# Altium PCB FOTA.PcbDoc
Units mm, origin at the board's own origin, x right, y up, seen from the top; angles counter-clockwise.
Board outline 298.7 x 135.25 mm, 2 copper layers (Top Layer, Bottom Layer); 65 components, 72 nets, 364 pads, 6 vias.
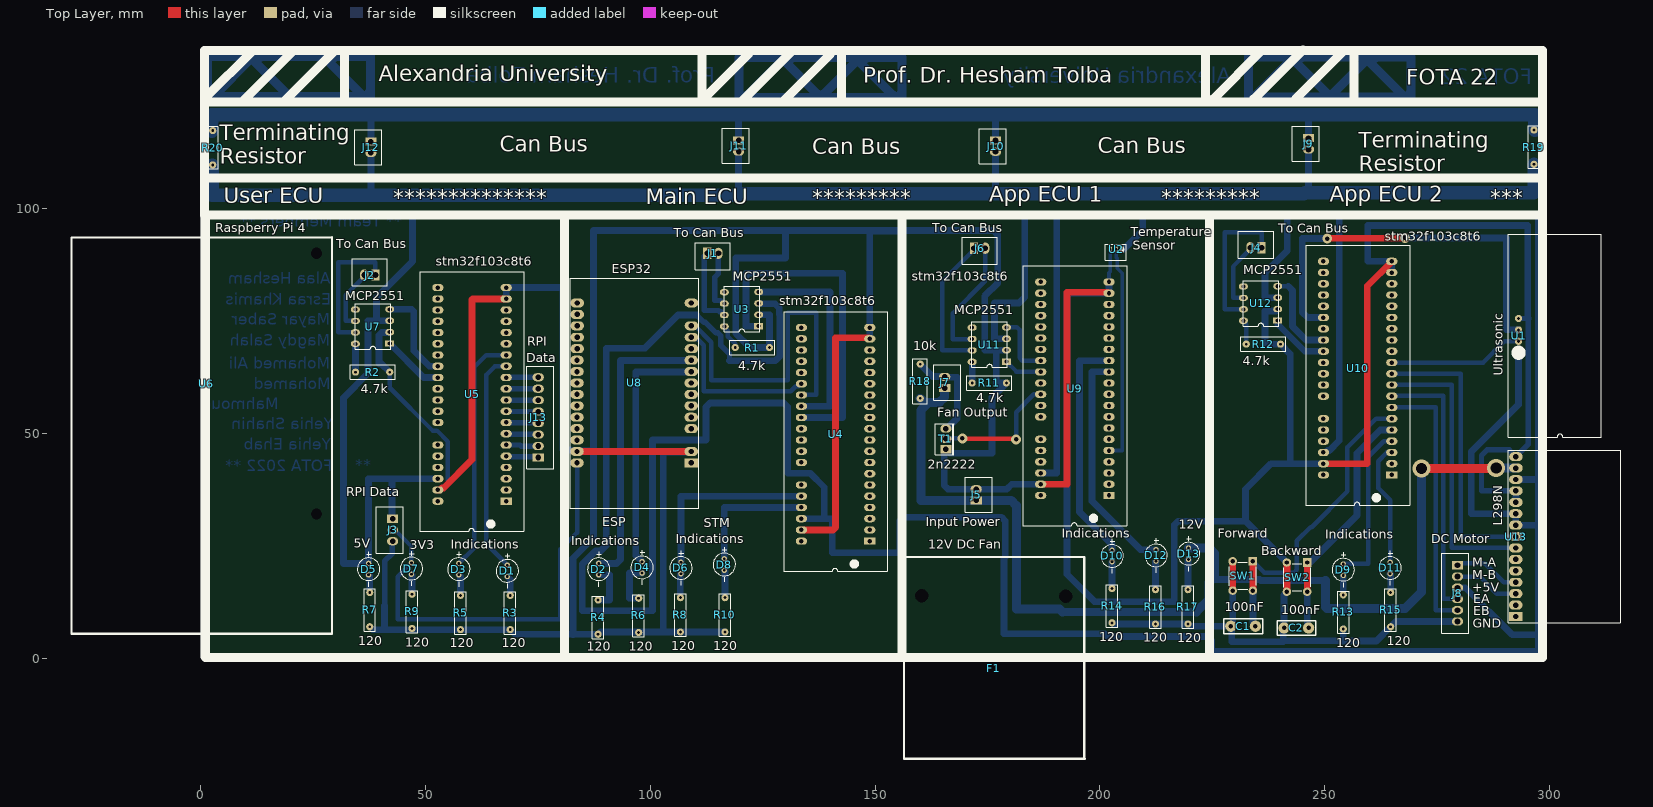
[diagram p0: Top Layer view]
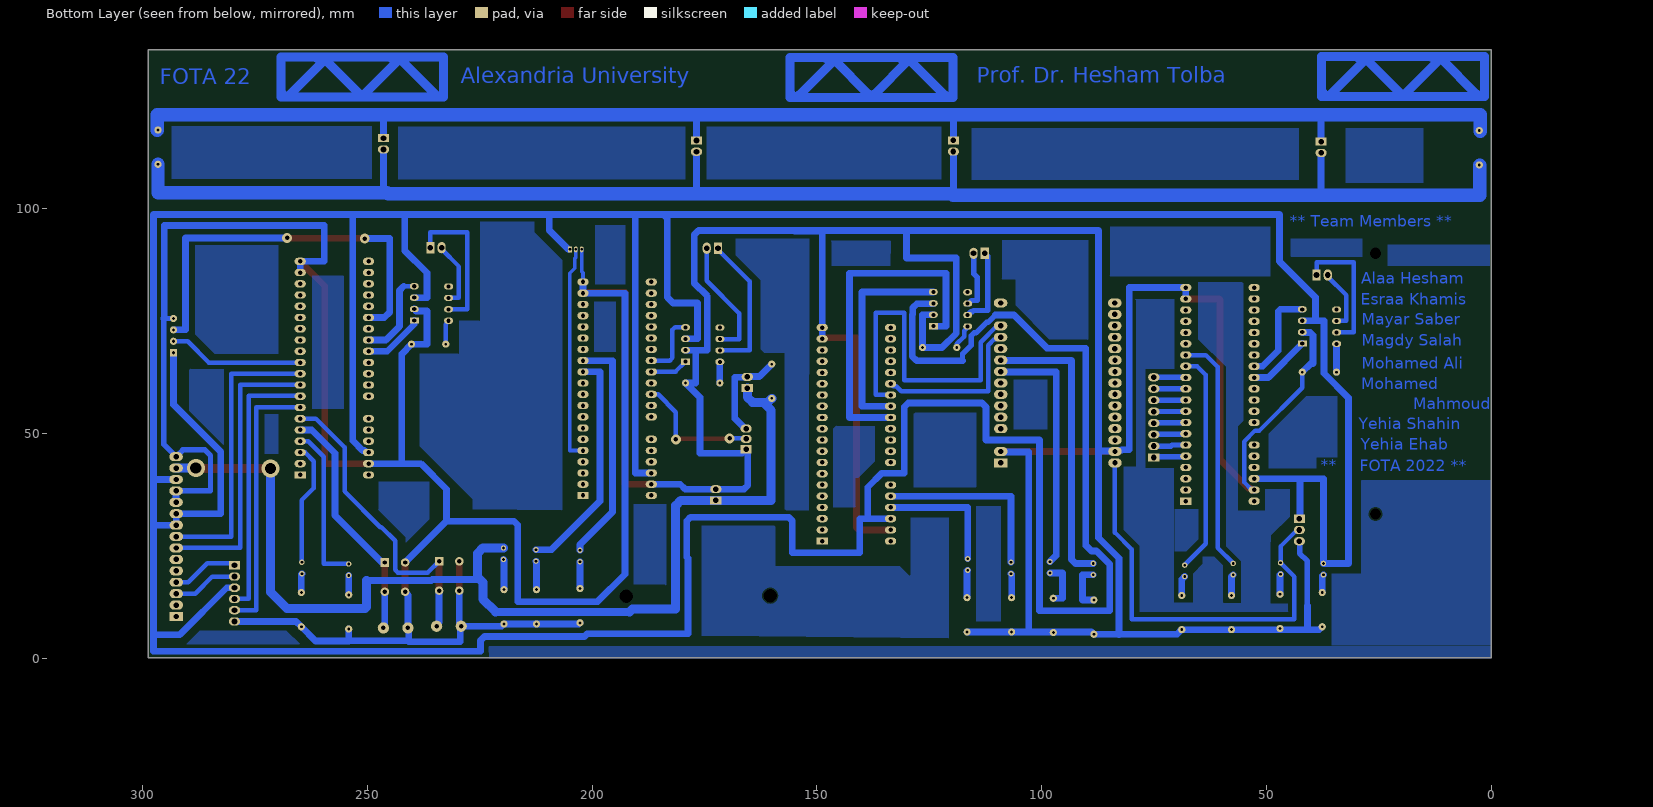
[diagram p1: Bottom Layer view, seen from below]

## Layer stack, top to bottom
Top Solder: solder mask 0.0102, Solder Resist, Dk 3.5
Top Layer: signal copper 0.0356
Dielectric 1: dielectric 0.32, FR-4, Dk 4.8
Bottom Layer: signal copper 0.0356
Bottom Solder: solder mask 0.0102, Solder Resist, Dk 3.5

## Board outline
0,0.127 298.704,0.127 298.704,135.382 0,135.382

## Design rules (kind name [scope] priority, off if disabled: settings)
Clearance [All] p1: gap=0.254 ignorepadtopadclearanceinfootprint=FALSE except(0: Arc-Hole Track-Hole SMDPad-Hole THPad-Hole Via-Hole Fill-Hole Poly-Hole Region-Hole Text-Hole; 0.5: Arc-Arc Arc-Track Arc-THPad Track-Track Track-THPad)
HoleSize [All] p1: absolutevalues=TRUE maxlimit=4 minlimit=0.025 maxpercent=80.000 minpercent=20.000
PolygonConnect [All] p1: connectstyle=Relief reliefconductorwidth=0.254 reliefentries=4 polygonreliefangle="90 Angle" airgapwidth=0.254
RoutingVias [All] p1: holewidth=0.711 width=1.27 viastyle="Through Hole" minholewidth=0.711 minwidth=1.27 maxholewidth=0.711 maxwidth=1.27
SolderMaskExpansion [All] p1: expansion=0.102
Width [All] p1: maxlimit=5 minlimit=0.8 preferedwidth=1.5 toplayer_minwidth=1 toplayer_maxwidth=2 minimp=50.000000 maximp=50.000000 favimp=50.000000
29 further rules are at their usual default settings.

## Components (designator, comment, footprint, x,y, rotation, side; value= is the part's Value field where it differs from the comment)
C1 "100nF" "CAP non" 231.988,7.112 r180 top
C2 "100nF" "CAP non" 243.84,6.731 r180 top
D1 "Indications" LED 68.199,20.701 r270 top
D2 "ESP" LED 88.519,21.082 r270 top
D3 "LED" LED 57.404,21.082 r270 top
D4 "Indications" LED 98.171,21.463 r270 top
D5 "5V" LED 37.338,21.082 r270 top
D6 "STM" LED 106.807,21.336 r270 top
D7 "3V3" LED 46.863,21.209 r270 top
D8 "Indications" LED 116.459,22.098 r270 top
D9 "LED" LED 254.127,20.955 r270 top
D10 "LED" LED 202.692,24.003 r270 top
D11 "Indications" LED 264.541,21.336 r270 top
D12 "Indications" LED 212.471,24.13 r270 top
D13 "12V" LED 219.71,24.511 r270 top
F1 "12V DC Fan" Fan 196.501,-22.406 r90 top
J1 "To Can Bus" "Data Connnector 2 pins" 118.899,90.043 r90 top
J2 "To Can Bus" "Data Connnector 2 pins" 32.612,85.217 r270 top
J3 "RPI Data" "Data Connnector 3 pins" 42.672,24.765 r0 top
J4 "To Can Bus" "Data Connnector 2 pins" 229.716,91.313 r270 top
J5 "Input Power" "Data Connnector 2 pins" 172.466,41.342 r180 top
J6 "To Can Bus" "Data Connnector 2 pins" 178.248,91.186 r90 top
J7 "Fan Output" "Data Connnector 2 pins" 165.481,66.321 r180 top
J8 "DC Motor" "Data Connnector 6 pins" 279.527,14.418 r0 top
J9 "App ECU_2" "Data Connnector 2 pins" 246.38,109.407 r0 top
J10 "App ECU_1" "Data Connnector 2 pins" 176.784,108.899 r0 top
J11 "Main ECU" "Data Connnector 2 pins" 119.634,108.939 r0 top
J12 "User ECU" "Data Connnector 2 pins" 37.846,108.645 r0 top
J13 "RPI" "Data Connector 8 pins" 75.057,53.559 r180 top
R1 "4.7k" 4.7k 129.592,70.088 r180 top
R2 "4.7k" 4.7k 45.137,64.627 r180 top
R3 "120" R120 68.834,6.35 r90 top
R4 "120" R120 88.392,5.334 r90 top
R5 "120" R120 57.785,6.35 r90 top
R6 "120" R120 97.409,5.715 r90 top
R7 "120" R120 37.592,6.985 r90 top
R8 "120" R120 106.68,5.842 r90 top
R9 "120" R120 46.99,6.604 r90 top
R10 "120" R120 116.586,5.842 r90 top
R11 "4.7k" 4.7k 182.297,62.214 r180 top
R12 "4.7k" 4.7k 243.257,70.85 r180 top
R13 "120" R120 254.127,6.477 r90 top
R14 "120" R120 202.692,7.874 r90 top
R15 "120" R120 264.668,6.985 r90 top
R16 "120" R120 212.344,7.62 r90 top
R17 "120" R120 219.583,7.62 r90 top
R18 "10k" 10k 161.02,54.685 r90 top
R19 "120" R120 296.545,117.475 r270 top
R20 "120" R120 2.667,117.348 r270 top
SW1 "Forward" "DIP4 SW" 231.775,18.288 r0 top
SW2 "Backward" "DIP4 SW" 243.84,18.034 r0 top
T1 "2n2222" TRANS 165.735,48.768 r180 top
U1 "Ultrasonic" hc-sr04 293.116,67.92 r0 top
U2 "Temperature" TMP 204.911,90.932 r270 top
U3 "MCP2551" MCP2551 124.106,73.838 r180 top
U4 "stm32f103c8t6" DIP46 148.804,25.908 r180 top
U5 "stm32f103c8t6" DIP46 67.945,34.798 r180 top
U6 "Raspberry Pi 4" RPI4 29.259,93.543 r180 top
U7 "MCP2551" MCP2551 42.037,69.977 r180 top
U8 "ESP32" ESP32 109.093,43.434 r180 top
U9 "stm32f103c8t6" DIP46 202.017,36.061 r180 top
U10 "stm32f103c8t6" DIP46 264.922,40.64 r180 top
U11 "MCP2551" MCP2551 179.224,65.964 r180 top
U12 "MCP2551" MCP2551 239.549,75.108 r180 top
U13 "L298N" L298 292.481,9.271 r180 top

## Footprints (in the part's own frame and the unit in brackets; to place one, negate y for a bottom-side part, rotate by r counter-clockwise, add the part's x,y. Pads: shape width x height; smd on the part's side, far side on the other; paste and mask are expansions set on the pad)
4.7k [mm]
  round 1.6 hole 0.6: 1(3.1,1) 2(10.72,1)
  silkscreen extent 1.9,-0.6 11.9,2.6, body extent 2.83,-0.14 10.99,2.14, height 2.44
10k [mm]
  round 1.6 hole 0.6: 1(3.1,1) 2(10.72,1)
  silkscreen extent 1.9,-0.6 11.9,2.6, body extent 2.82,-0.14 10.99,2.14, height 2.44
"CAP non" [mm]
  round 2.5 hole 1: 1(-2.581,0) 2(2.88,0)
  silkscreen extent -4.2,-1.65 4.4,1.65, body extent -2.79,-1.3 3.21,1.3, height 5.2
"Data Connector 8 pins" [mm]
  rect 2.5x1.8 hole 1.25: 1(0,8.925)
  oval 2.5x1.8 hole 1.25: 2(0,6.375) 3(0,3.825) 4(0,1.275) 5(0,-1.275) 6(0,-3.825) 7(0,-6.375) 8(0,-8.925)
  silkscreen extent -3.5,-11.4 2.5,11.4, body extent -3.4,-11.2 2.35,11.2, height 7.01
"Data Connnector 2 pins" [mm]
  rect 2.5x1.8 hole 1.25: 1(0,6.25)
  oval 2.5x1.8 hole 1.25: 2(0,3.75)
  silkscreen extent -3.6,1.1 2.4,8.9, body extent -3.48,1.3 2.28,8.7, height 7.01
"Data Connnector 3 pins" [mm]
  rect 2.5x1.8 hole 1.25: 1(0,6.25)
  oval 2.5x1.8 hole 1.25: 2(0,3.75) 3(0,1.25)
  silkscreen extent -3.6,-1.4 2.4,8.9, body extent -3.48,-1.2 2.28,8.7, height 6.91
"Data Connnector 6 pins" [mm]
  rect 2.5x1.8 hole 1.25: 1(0,6.25)
  oval 2.5x1.8 hole 1.25: 2(0,3.75) 3(0,1.25) 4(0,-1.25) 5(0,-3.75) 6(0,-6.25)
  silkscreen extent -3.5,-8.9 2.5,8.9, body extent -3.38,-8.7 2.38,8.7, height 6.91
"DIP4 SW" [mm]
  rect 1.9x1.9 hole 1: 1(2.25,3.25)
  round 1.9 hole 1: 2(2.25,-3.25) 3(-2.25,3.25) 4(-2.25,-3.25)
  silkscreen extent -3,-3 3,3, body extent -3,-3.9 2.99,3.9, height 5
DIP46 [mm]
  rect 2.5x1.6 hole 1: 1(0,-0.127)
  oval 2.5x1.6 hole 1: 2(0,-2.627) 3(0,-5.127) 4(0,-7.627) 5(0,-10.127) 6(0,-12.627) 7(0,-15.127) 8(0,-17.627) 9(0,-20.127) 10(0,-22.627) 11(0,-25.127) 12(0,-27.627) 13(0,-30.127) 14(0,-32.627) 15(0,-35.127) 16(0,-37.627) 17(0,-40.127) 18(0,-42.627) 19(0,-45.127) 20(0,-47.627) 27(15.2,-47.627) 28(15.2,-45.127) 29(15.2,-42.627) 30(15.2,-40.127) 31(15.2,-37.627) 32(15.2,-35.127) 33(15.2,-32.627) 34(15.2,-30.127) 35(15.2,-27.627) 36(15.2,-25.127) 37(15.2,-22.627) 38(15.2,-20.127) 39(15.2,-17.627) 41(15.2,-12.627) 42(15.2,-10.127) 43(15.2,-7.627) 44(15.2,-5.127) 45(15.2,-2.627) 46(15.2,-0.127)
  silkscreen extent -3.94,-51.18 19.18,6.6, body extent -3.86,-51.19 19.14,6.61, height 11.51
ESP32 [mm]
  rect 3x2 hole 1.2: 1(0,0)
  oval 3x2 hole 1.2: 2(0,-2.54) 4(0,-7.62) 5(0,-10.16) 6(0,-12.7) 7(0,-15.24) 8(0,-17.78) 9(0,-20.32) 10(0,-22.86) 11(-0.04,-25.41) 12(-0.04,-27.95) 13(-0.04,-30.49) 15(-0.04,-35.57) 16(25.36,-35.57) 17(25.36,-33.03) 18(25.36,-30.49) 19(25.36,-27.95) 20(25.36,-25.41) 21(25.4,-22.86) 22(25.4,-20.32) 23(25.4,-17.78) 24(25.4,-15.24) 25(25.4,-12.7) 26(25.4,-10.16) 27(25.4,-7.62) 28(25.4,-5.08) 29(25.4,-2.54) 30(25.4,0)
  silkscreen extent -1.7,-41.05 27.03,10.06, body extent -1.58,-40.97 26.92,9.96, height 15.2
Fan [mm]
  round 0 hole 3 unplated: 1(4.1,36.3) 1(4.2,4) 1(36.2,4.1) 1(36.3,36.1)
  silkscreen extent 0.05,-0.1 44.9,40.1, body extent 0.12,0.1 44.88,40.1, height 15
hc-sr04 [mm]
  rect 1.6x1.6 hole 0.7: 1(0,0.025)
  round 1.6 hole 0.7: 2(0,2.565) 3(0,5.105) 4(0,7.645)
  silkscreen extent -2.29,-18.75 18.41,26.37, body extent -0.3,-18.74 18.25,26.46, height 20.61
L298 [mm]
  rect 3x2 hole 1.2: 1(0,0)
  oval 3x2 hole 1.2: 2(0,-2.54) 3(0,-5.08) 4(0,-7.62) 5(0,-10.16) 6(0,-12.7) 7(0,-15.24) 8(0,-17.78) 9(0,-20.32) 10(0,-22.86) 11(-0.04,-25.4) 12(-0.04,-27.94) 13(-0.04,-30.48) 14(-0.04,-33.02) 15(-0.04,-35.56)
  silkscreen extent -23.3,-37 1.7,1.4, body extent -23.22,-36.85 1.27,1.3, height 25
LED [mm]
  round 1.2 hole 0.61: 1(0,0) 2(2.54,0)
  silkscreen extent -2.58,-2.5 5.14,2.5, body extent -0.65,-1.9 2.78,1.9, height 5.21
MCP2551 [mm]
  rect 2x1.397 hole 0.9: 1(0,0)
  oval 2x1.397 hole 0.9: 2(0,-2.54) 3(0,-5.08) 4(0,-7.62) 5(7.647,-7.569) 6(7.647,-5.029) 7(7.647,-2.489) 8(7.647,0.051)
  silkscreen extent -0.18,-8.89 7.7,1.27, body extent -0.14,-8.44 7.74,0.84, height 5.35
R120 [mm]
  round 1.6 hole 0.65: 1(0,0) 2(7.62,0)
  silkscreen extent -0.97,-1.28 8.45,1.28, body extent -0.27,-1.14 7.89,1.14, height 2.44
RPI4 [mm]
  round 0 hole 2.5 unplated: 1(3.5,61.5) 1(3.5,3.5) 1(52.5,61.5) 1(52.5,3.5)
  silkscreen extent 0.05,-0.1 58,88.1, body extent -0.05,0 57.85,87.94, height 15.7
TMP [mm]
  rect 1.3x0.8 hole 0.6: 1(0,0)
  oval 1.3x0.8 hole 0.6: 2(0,-1.3) 3(0,-2.6)
  silkscreen extent -1.12,-3.76 2.39,0.94, body extent -1.2,-3.56 2.36,1.02, height 4.59
TRANS [mm]
  rect 2.5x1.8 hole 1.25: 1(0,2.286)
  oval 2.5x1.8 hole 1.25: 2(0,0) 3(0,-2.286)
  silkscreen extent -1.83,-3.43 2.4,3.57, body extent -1.38,-2.78 2.3,2.78, height 6.73

## Part data
C1 C2: library part "Non polarized capacitor", "Generial Non polarized capacitor for through hole or SMD capacitors"
D1 D2 D4 D5 D6 D7 D8 D11 D12 D13: library part LED, "Led, Red, T-1 (3Mm), 630 Nm, 1.8 V, 30 Ma, 20 Mcd Rohs Compliant: Yes", Case/Package=Radial, Color=Red, Forward Current=30mA, Forward Voltage=2.2V, Manufacturer 1="Wurth Electronics", Manufacturer Part Number 1=151031SS06000, Max Operating Temperature=85°C, Min Operating Temperature=-40°C, Package Quantity=1, Supplier Part Number 1=732-5006-ND, Test Current=20mA, Category=Optoelectronics, ComponentLink1Description=https://datasheet.ciiva.com/22657/151031ss06000-22657010.pdf?src-supplier=Element14, ComponentLink1URL=https://datasheet.ciiva.com/22657/151031ss06000-22657010.pdf?src-supplier=Element14, ComponentLink2Description=https://datasheet.ciiva.com/29335/759483-da-01-en-tht-led-3mm-superrot-151031ss06000-29335440.pdf?src-supplier=Conrad, ComponentLink2URL=https://datasheet.ciiva.com/29335/759483-da-01-en-tht-led-3mm-superrot-151031ss06000-29335440.pdf?src-supplier=Conrad, ComponentLink3Description=https://datasheet.ciiva.com/29562/151031ss06000-29562907.pdf?src-supplier=Digi-Key, ComponentLink3URL=https://datasheet.ciiva.com/29562/151031ss06000-29562907.pdf?src-supplier=Digi-Key, Dominant Wavelength=640nm, Height=5.55mm, Lens Size=3mm, Lens Style=Diffused,Circular,Round, Luminous Intensity=35mcd, Mount="Through Hole", Packaging=Bulk, Pricing 1="1=0.18000, 50=0.16700, 100=0.14300, 500=0.12300 (USD)", REACH SVHC=Unknown, RoHS=Yes, RoHS Compliant=Yes, Stock 1=4849, Supplier 1=Digi-Key, Viewing Angle=60°, Wavelength=630nm
D3 D9 D10: "Led, Red, T-1 (3Mm), 630 Nm, 1.8 V, 30 Ma, 20 Mcd Rohs Compliant: Yes", Case/Package=Radial, Color=Red, Forward Current=30mA, Forward Voltage=2.2V, Manufacturer 1="Wurth Electronics", Manufacturer Part Number 1=151031SS06000, Max Operating Temperature=85°C, Min Operating Temperature=-40°C, Package Quantity=1, Supplier Part Number 1=732-5006-ND, Test Current=20mA, Category=Optoelectronics, ComponentLink1Description=https://datasheet.ciiva.com/22657/151031ss06000-22657010.pdf?src-supplier=Element14, ComponentLink1URL=https://datasheet.ciiva.com/22657/151031ss06000-22657010.pdf?src-supplier=Element14, ComponentLink2Description=https://datasheet.ciiva.com/29335/759483-da-01-en-tht-led-3mm-superrot-151031ss06000-29335440.pdf?src-supplier=Conrad, ComponentLink2URL=https://datasheet.ciiva.com/29335/759483-da-01-en-tht-led-3mm-superrot-151031ss06000-29335440.pdf?src-supplier=Conrad, ComponentLink3Description=https://datasheet.ciiva.com/29562/151031ss06000-29562907.pdf?src-supplier=Digi-Key, ComponentLink3URL=https://datasheet.ciiva.com/29562/151031ss06000-29562907.pdf?src-supplier=Digi-Key, Dominant Wavelength=640nm, Height=5.55mm, Lens Size=3mm, Lens Style=Diffused,Circular,Round, Luminous Intensity=35mcd, Mount="Through Hole", Packaging=Bulk, Pricing 1="1=0.18000, 50=0.16700, 100=0.14300, 500=0.12300 (USD)", REACH SVHC=Unknown, RoHS=Yes, RoHS Compliant=Yes, Stock 1=4849, Supplier 1=Digi-Key, Viewing Angle=60°, Wavelength=630nm
F1: library part Fan
J1 J2 J4 J5 J6 J7 J9 J10 J11 J12: library part "Data Connector 2 pins"
J3: library part "Data Connector 3 pin"
J8: library part "Data Connector 6 pin"
J13: library part "Data Connector 8 pins"
R1 R2 R11 R12: library part "R 4K7", "Res Carbon Film 4.7K Ohm 5% 1/4W -500ppm/°C to 350ppm/°C Conformal AXL Thru-Hole Paper T/R", Case/Package=Axial, Manufacturer 1=Yageo, Manufacturer Part Number 1=CFR-25JR-52-4K7, Max Operating Temperature=155°C, Max Power Dissipation=250mW, Min Operating Temperature=-55°C, Package Quantity=5000, Resistance=4.7kR, Resistor Type="Carbon Film", Supplier Part Number 1=4.7KQTR-ND, Temperature Coefficient=350ppm/°C, Tolerance=5%, Voltage Rating=250V, Category=Resistors, ComponentLink1Description=http://www.mouser.com/ds/2/447/Yageo%20LR_CFR_2013-540723.pdf?src-supplier=Mouser, ComponentLink1URL=http://www.mouser.com/ds/2/447/Yageo%20LR_CFR_2013-540723.pdf?src-supplier=Mouser, ComponentLink2Description=http://www.yageo.com/NewPortal/yageodocoutput?fileName=/pdf/throughhole/Yageo_LR_CFR_2013.pdf&src-supplier=Digi-Key, ComponentLink2URL=http://www.yageo.com/NewPortal/yageodocoutput?fileName=/pdf/throughhole/Yageo_LR_CFR_2013.pdf&src-supplier=Digi-Key, ComponentLink3Description=http://www.yageo.com/documents/recent/General%20Type_CFR.pdf?src-supplier=Future+Electronics, ComponentLink3URL=http://www.yageo.com/documents/recent/General%20Type_CFR.pdf?src-supplier=Future+Electronics, ComponentLink4Description=http://www.yageo.com/documents/recent/Yageo%20LR_CFR_2013.pdf?src-supplier=Avnet, ComponentLink4URL=http://www.yageo.com/documents/recent/Yageo%20LR_CFR_2013.pdf?src-supplier=Avnet, Contact Plating=Tin,Matte, Diameter=2.4mm, Lead Diameter=0.55mm, Lead Free="Lead Free", Length=6.3mm, Mount="Through Hole", Number of Terminations=2, Packaging="Tape and Reel", Power Rating=250mW, Pricing 1="5000=0.00884, 10000=0.00793, 25000=0.00728, 50000=0.00684, 125000=0.00668 (USD)", Radiation Hardening=No, RoHS=Yes, RoHS Compliant=Yes, Series=CFR, Stock 1=115000, Supplier 1=Digi-Key, Termination=Axial
R3 R4 R5 R6 R7 R8 R9 R10 R13 R14 R15 R16 R17: library part R120, "General Type Carbon Film Resistor 120Ohm 1/4W 5% Axial Bulk", Case/Package=Axial, Manufacturer 1=Yageo, Manufacturer Part Number 1=CFR-25JB-52-120R, Max Operating Temperature=155°C, Max Power Dissipation=250mW, Min Operating Temperature=-55°C, Package Quantity=200, Resistance=120R, Resistor Type="Carbon Film", Supplier Part Number 1=9005903, Temperature Coefficient=500ppm/°C, Tolerance=5%, ComponentLink1Description=http://www.yageo.com/documents/recent/General%20Type_CFR.pdf?src-supplier=Future+Electronics, ComponentLink1URL=http://www.yageo.com/documents/recent/General%20Type_CFR.pdf?src-supplier=Future+Electronics, ComponentLink2Description=http://www.yageo.com/NewPortal/yageodocoutput?fileName=/pdf/throughhole/Yageo_LR_CFR_2013.pdf&src-supplier=Digi-Key, ComponentLink2URL=http://www.yageo.com/NewPortal/yageodocoutput?fileName=/pdf/throughhole/Yageo_LR_CFR_2013.pdf&src-supplier=Digi-Key, Lead Free="Lead Free", Length=0.248inch, Number of Terminations=2, Packaging=Bulk, Power Rating=250mW, Pricing 1="10000=0.00860, 30000=0.00580, 50000=0.00570, 100000=0.00550, 200000=0.00540 (USD)", RoHS=Yes, RoHS Compliant=Yes, Series="Carbon Film", Stock 1=7000, Supplier 1="Future Electronics"
R18: library part "R 10K", "Through Hole Carbon Film Resistor, Cfr Series, 10 Kohm, 250 Mw, - 5%, 200 V, Axial Leaded", Manufacturer 1="TE Connectivity", Manufacturer Part Number 1=CFR16J10K, Supplier Part Number 1=1623927-4, ComponentLink1Description=https://datasheet.ciiva.com/11823/0900766b80098b49-11823186.pdf?src-supplier=RSComponents, ComponentLink1URL=https://datasheet.ciiva.com/11823/0900766b80098b49-11823186.pdf?src-supplier=RSComponents, ComponentLink2Description=https://datasheet.ciiva.com/12362/eng-ds-1773195-d-12362991.pdf?src-supplier=Mouser, ComponentLink2URL=https://datasheet.ciiva.com/12362/eng-ds-1773195-d-12362991.pdf?src-supplier=Mouser, Pricing 1="10000=0.00819 (USD)", RoHS=Yes, Stock 1=10000, Supplier 1=Avnet
R19 R20: library part R120_TH
SW1 SW2: library part "Push Button"
U1: library part HC-SR04, "Ultrasonic Sensor Module, Rectangular, 20-4000 mm, 5 V, 15 mA, Arduino Compatible", Manufacturer 1=OSEPP, Supplier Part Number 1=375-HC-SR04, Category="Development Boards, Kits, Programmers", ComponentLink1Description=http://www.alliedelec.com/m/d/24ef524bf2e055bb41c3e7d4403161f4.pdf?src-supplier=Allied+Electronics, ComponentLink1URL=http://www.alliedelec.com/m/d/24ef524bf2e055bb41c3e7d4403161f4.pdf?src-supplier=Allied+Electronics, ComponentLink2Description=https://datasheet.octopart.com/HC-SR04-OSEPP-datasheet-46721640.pdf?src-supplier=Allied+Electronics, ComponentLink2URL=https://datasheet.octopart.com/HC-SR04-OSEPP-datasheet-46721640.pdf?src-supplier=Allied+Electronics, Manufacturer Part Number 1=HC-SR04, Pricing 1="1=6.55000, 10=6.55000, 50=6.55000, 100=6.55000, 1000=6.55000, 10000=6.55000 (USD)", Stock 1=154, Supplier 1=Mouser
U2: library part DS18B20, "SENSOR TEMPERATURE 1-WIRE TO92-3", Case/Package=TO-92-3, Manufacturer 1=Maxim, Manufacturer Part Number 1=DS18B20+, Max Operating Temperature=125°C, Max Supply Voltage=5.5V, Min Operating Temperature=-55°C, Min Supply Voltage=3V, Nominal Supply Current=1mA, Operating Supply Current=1.5mA, Output Current=4mA, Package Quantity=10, Supplier Part Number 1=6084674, ComponentLink1Description=https://datasheet.ciiva.com/14100/ds18b20-eng-tds-14100018.pdf?src-supplier=Distrelec, ComponentLink1URL=https://datasheet.ciiva.com/14100/ds18b20-eng-tds-14100018.pdf?src-supplier=Distrelec, ComponentLink2Description=https://datasheet.ciiva.com/19456/865936-19456316.pdf?src-supplier=Jameco, ComponentLink2URL=https://datasheet.ciiva.com/19456/865936-19456316.pdf?src-supplier=Jameco, ComponentLink3Description=https://datasheet.ciiva.com/23809/46379-23809287.pdf?src-supplier=Newark, ComponentLink3URL=https://datasheet.ciiva.com/23809/46379-23809287.pdf?src-supplier=Newark, ComponentLink4Description=https://datasheet.ciiva.com/5696/ds18s20-5696782.pdf?src-supplier=Farnell, ComponentLink4URL=https://datasheet.ciiva.com/5696/ds18s20-5696782.pdf?src-supplier=Farnell, ComponentLink5Description=https://datasheet.ciiva.com/3277/ds18b20-3277869.pdf?src-supplier=Avnet, ComponentLink5URL=https://datasheet.ciiva.com/3277/ds18b20-3277869.pdf?src-supplier=Avnet, ComponentLink6Description=https://datasheet.ciiva.com/2003/ds18b20-2003437.pdf?src-supplier=Digi-Key, ComponentLink6URL=https://datasheet.ciiva.com/2003/ds18b20-2003437.pdf?src-supplier=Digi-Key, Height=4.95mm, Interface=1-WIRE,Serial, Lead Free="Lead Free", Length=4.95mm, Max Supply Voltage (DC)=5.5V, Min Supply Voltage (DC)=3V, Mount="PCB,Through Hole", Number of Bits=12, Number of Pins=3, Output Type=Digital,Voltage, Packaging=Rail/Tube, Pricing 1="1=5.05000, 10=4.56000, 25=4.38000, 75=4.17000, 150=4.04000 (USD)", Radiation Hardening=No, REACH SVHC="No SVHC", Resolution=12b, RoHS=Yes, RoHS Compliant=Yes, Sensor Type=Temperature, Series=DS18B20, Stock 1=0, Supplier 1="Future Electronics", Supply Current=1mA, Termination=SMD/SMT, Weight=0.001lb, Width=3.94mm
U3 U7 U11 U12: library part MCP2551-I/P, "MCP2551 Series 5.5 V 1 Mb/s Surface Mount High-Speed CAN Transceiver - PDIP-8", Case/Package=PDIP, Manufacturer 1=Microchip, Max Operating Temperature=85°C, Max Supply Current=75mA, Max Supply Voltage=5.5V, Min Operating Temperature=-40°C, Min Supply Voltage=4.5V, Operating Supply Voltage=5V, Package Quantity=60, Supplier Part Number 1=6665723, Category="Integrated Circuits (ICs)", ComponentLink1Description=https://datasheet.ciiva.com/14152/eb644223-644224-e-14152538.pdf?src-supplier=Distrelec, ComponentLink1URL=https://datasheet.ciiva.com/14152/eb644223-644224-e-14152538.pdf?src-supplier=Distrelec, ComponentLink2Description=https://datasheet.ciiva.com/1495/21667f-1495088.pdf?src-supplier=Element14, ComponentLink2URL=https://datasheet.ciiva.com/1495/21667f-1495088.pdf?src-supplier=Element14, ComponentLink3Description=https://datasheet.ciiva.com/18405/70045401-18405559.pdf?src-supplier=Allied+Electronics, ComponentLink3URL=https://datasheet.ciiva.com/18405/70045401-18405559.pdf?src-supplier=Allied+Electronics, ComponentLink4Description=https://datasheet.ciiva.com/8084/21667f-8084591.pdf?src-supplier=Avnet, ComponentLink4URL=https://datasheet.ciiva.com/8084/21667f-8084591.pdf?src-supplier=Avnet, ComponentLink5Description=https://datasheet.ciiva.com/16381/filehandler-aspxddocname-en011797-16381270.pdf?src-supplier=Future+Electronics, ComponentLink5URL=https://datasheet.ciiva.com/16381/filehandler-aspxddocname-en011797-16381270.pdf?src-supplier=Future+Electronics, ComponentLink6Description=https://datasheet.ciiva.com/1700/21667f-1700024.pdf?src-supplier=Digi-Key, ComponentLink6URL=https://datasheet.ciiva.com/1700/21667f-1700024.pdf?src-supplier=Digi-Key, ComponentLink7Description=https://datasheet.ciiva.com/29305/651451-da-01-en-ic-tx-can-mcp2551-i-p-pdip-8-mcp-29305164.pdf?src-supplier=Conrad, ComponentLink7URL=https://datasheet.ciiva.com/29305/651451-da-01-en-ic-tx-can-mcp2551-i-p-pdip-8-mcp-29305164.pdf?src-supplier=Conrad, Data Rate=1Mbps, Height=3.3mm, Interface=Serial,CAN, Lead Free="Lead Free", Length=9.27mm, Logic Function=Transceiver, Manufacturer Part Number 1=MCP2551-I/P, Mount="Through Hole", Nominal Supply Current=75mA, Number of Drivers=1, Number of Functions=1, Number of Pins=8, Number of Receive Buffers=1, Number of Receivers=1, Number of Transceivers=1, Number of Transmit Buffers=1, Packaging=Rail/Tube, Pricing 1="1=1.75000, 30=1.57000, 100=1.51000, 300=1.46000, 1000=1.40000 (USD)", Radiation Hardening=No, REACH SVHC="No SVHC", RoHS=Yes, RoHS Compliant=Yes, Stock 1=570, Supplier 1="Future Electronics", Supply Current=75mA, Supply Voltage-Nom=5.5V, Width=6.35mm